# Altium PCB DRS4-PCB.PcbDoc (part 1 of 15) (continued)
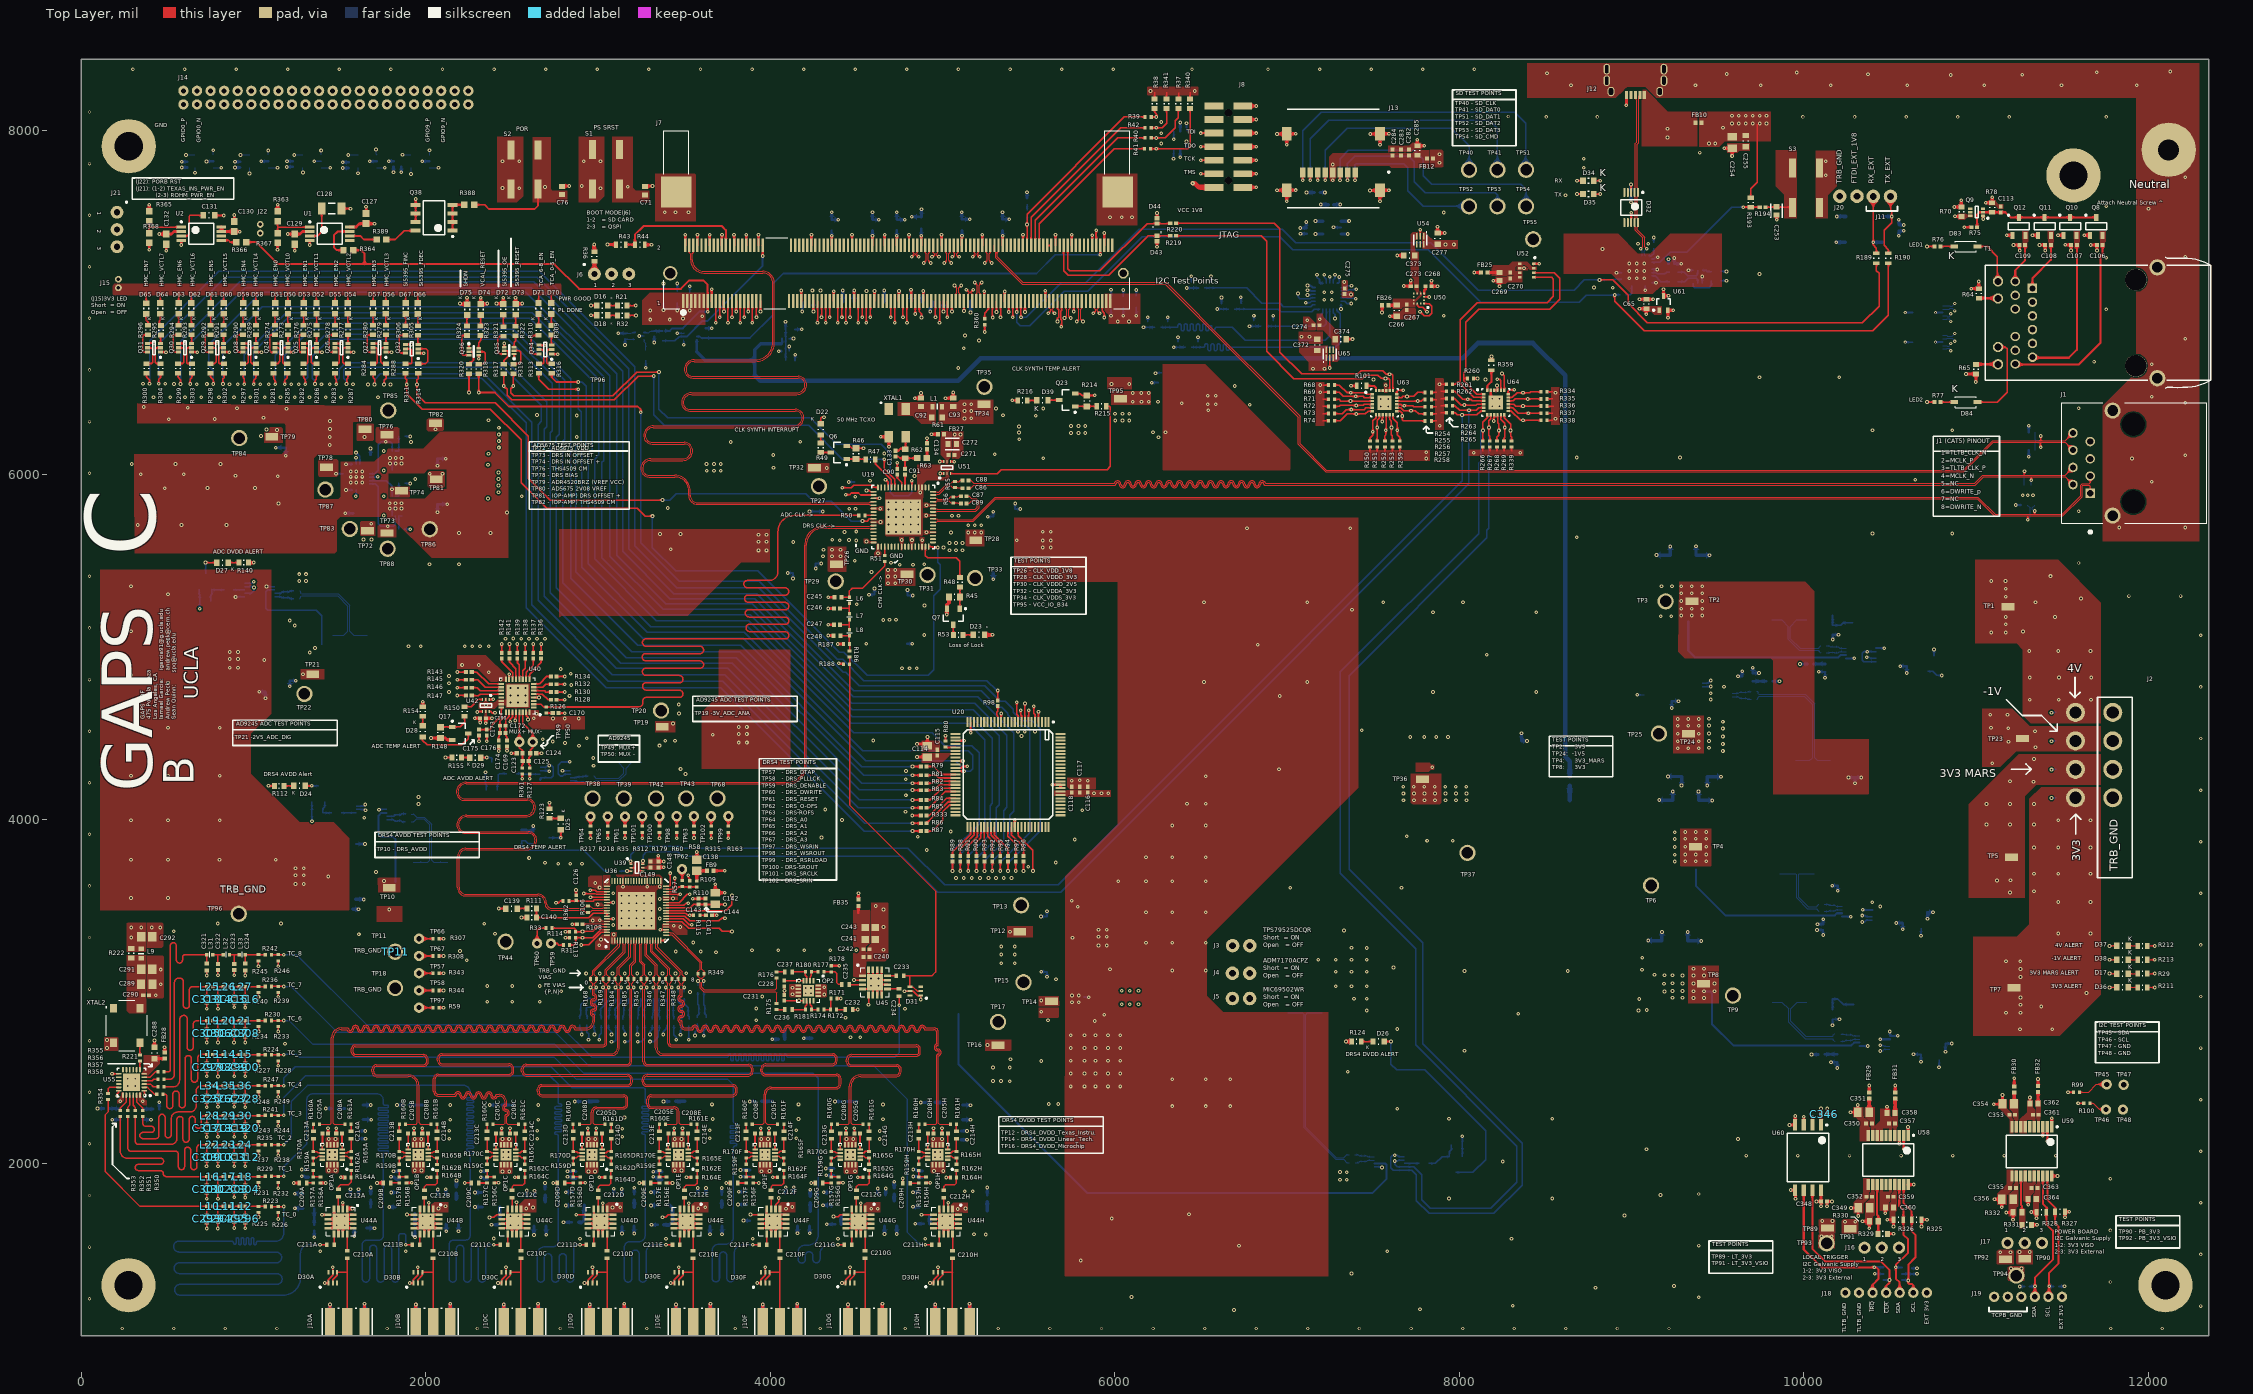
[diagram p0: Top Layer view]
## Classes and differential pairs
differential pair class D90: USB
differential pair class D100: 3V3_SENSE 3V3_ZYNQ_SENSE 4V_SENSE -1V_SENSE ADC_ANA_SENSE ADC_DIG_SENSE DRS4_IN0 DRS4_IN1 DRS4_IN2 DRS4_IN3 DRS4_IN4 DRS4_IN5 DRS4_IN6 DRS4_IN7 DRS4_IN8 ETH_A ETH_B ETH_C ETH_D GPIO0 GPIO1 GPIO2 GPIO3 GPIO4 GPIO5 GPIO6 GPIO7 GPIO8 GPIO9 IO_B35_L3 MCLK OUT0A OUT1 OUT9 OUT9A
net class S50: ADC_CLK CLK_SYNTH_8 CLK_SYNTH_LP NetC209A_2 NetC209B_2 NetC209C_2 NetC209D_2 NetC209E_2 NetC209F_2 NetC209G_2 NetC209H_2 NetC210A_1 NetC210A_2 NetC210B_1 NetC210B_2 NetC210C_1 NetC210C_2 NetC210D_1 NetC210D_2 NetC210E_1 NetC210E_2 NetC210F_1 NetC210F_2 NetC210G_1 NetC210G_2 NetC210H_1 NetC210H_2 NetC211A_1 NetC211B_1 NetC211C_1 NetC211D_1 NetC211E_1 NetC211F_1 NetC211G_1 NetC211H_1 NetC212A_1 NetC212A_2 NetC212B_1 NetC212B_2 NetC212C_1 NetC212C_2 NetC212D_1 NetC212D_2 NetC212E_1 NetC212E_2 NetC212F_1 NetC212F_2 NetC212G_1 NetC212G_2 NetC212H_1 NetC212H_2 NetC232_2 NetC233_1 NetC234_1 NetC235_1 NetC235_2 NetC246_2 NetC247_2 NetC248_2 NetC294_2 NetC295_2 NetC296_2 NetC298_2 NetC299_2 NetC300_2 NetC302_2 NetC303_2 NetC304_2 NetC306_2 NetC307_2 NetC308_2 NetC310_2 NetC311_2 NetC312_2 NetC314_2 NetC315_2 NetC316_2 NetC318_2 NetC319_2 NetC320_2 NetC322_2 NetC323_2 NetC324_2 NetC326_2 NetC327_2 NetC328_2 NetOP1A_2 NetOP1A_11 NetOP1B_2 NetOP1B_11 NetOP1C_2 NetOP1C_11 NetOP1D_2 NetOP1D_11 NetOP1E_2 NetOP1E_11 NetOP1F_2 NetOP1F_11 NetOP1G_2 NetOP1G_11 NetOP1H_2 NetOP1H_11 NetOP2_2 NetR156A_1 NetR156B_1 NetR156C_1 NetR156D_1 NetR156E_1 NetR156F_1 NetR156G_1 NetR156H_1 NetR171_1 NetR350_1 NetR351_1 NetR352_1 NetR353_1 NetR354_1 NetR355_1 NetR356_1 NetR357_1 NetR358_1 NetU55_14 NetU55_15 NetU55_16 OUT0 OUT3 TC_0 TC_1 TC_2 TC_3 TC_4 TC_5 TC_6 TC_7 TC_8 TCA_CLK0 TCA_CLK1 TCA_CLK2 TCA_CLK3 TCA_CLK4 TCA_CLK5 TCA_CLK6 TCA_CLK7 TCA_CLK8
component class "I2C GPIO": C114 C115 C116 C117 C118 R79 R80 R81 R82 R83 R84 R85 R86 R87 R88 R89 R90 R91 R92 R93 R94 R95 R96 R97 R98 R333 U20
component class "MarsZX2 PWR Reset": C63 C64 C127 C128 C129 C130 C131 C132 C215 J21 J22 Q38 R363 R364 R365 R366 R367 R368 R388 R389 U1 U2 U17
component class "I2C Multiplexer": C24 C25 R68 R69 R71 R72 R73 R74 R101 R250 R251 R252 R253 R254 R255 R256 R257 R258 R259 R260 R261 R262 R263 R264 R265 R266 R267 R268 R269 R334 R335 R336 R337 R338 R339 R359 U63 U64
component class 1V8_SUPPLY: C277 C372 C373 C374 U54 U65
channel class ANA_FE: FE0 FE1 FE2 FE3 FE4 FE5 FE6 FE7
component class FE7: C199H C200H C201H C202H C203H C204H C205H C206H C207H C208H C209H C210H C211H C212H C213H C214H C216H C217H C218H C219H C220H C221_FE7 C222_FE7 C223_FE7 D30H FB17H FB18H FB19H J10H L2H L3H OP1H R156H R157H R159H R160H R161H R162H R164H R165H R166H R167H R170H U44H
component class FE6: C199G C200G C201G C202G C203G C204G C205G C206G C207G C208G C209G C210G C211G C212G C213G C214G C216G C217G C218G C219G C220G C221_FE6 C222_FE6 C223_FE6 D30G FB17G FB18G FB19G J10G L2G L3G OP1G R156G R157G R159G R160G R161G R162G R164G R165G R166G R167G R170G U44G
component class FE5: C199F C200F C201F C202F C203F C204F C205F C206F C207F C208F C209F C210F C211F C212F C213F C214F C216F C217F C218F C219F C220F C221_FE5 C222_FE5 C223_FE5 D30F FB17F FB18F FB19F J10F L2F L3F OP1F R156F R157F R159F R160F R161F R162F R164F R165F R166F R167F R170F U44F
component class FE4: C199E C200E C201E C202E C203E C204E C205E C206E C207E C208E C209E C210E C211E C212E C213E C214E C216E C217E C218E C219E C220E C221_FE4 C222_FE4 C223_FE4 D30E FB17E FB18E FB19E J10E L2E L3E OP1E R156E R157E R159E R160E R161E R162E R164E R165E R166E R167E R170E U44E
component class FE3: C199D C200D C201D C202D C203D C204D C205D C206D C207D C208D C209D C210D C211D C212D C213D C214D C216D C217D C218D C219D C220D C221_FE3 C222_FE3 C223_FE3 D30D FB17D FB18D FB19D J10D L2D L3D OP1D R156D R157D R159D R160D R161D R162D R164D R165D R166D R167D R170D U44D
component class FE2: C199C C200C C201C C202C C203C C204C C205C C206C C207C C208C C209C C210C C211C C212C C213C C214C C216C C217C C218C C219C C220C C221_FE2 C222_FE2 C223_FE2 D30C FB17C FB18C FB19C J10C L2C L3C OP1C R156C R157C R159C R160C R161C R162C R164C R165C R166C R167C R170C U44C
component class FE1: C199B C200B C201B C202B C203B C204B C205B C206B C207B C208B C209B C210B C211B C212B C213B C214B C216B C217B C218B C219B C220B C221_FE1 C222_FE1 C223_FE1 D30B FB17B FB18B FB19B J10B L2B L3B OP1B R156B R157B R159B R160B R161B R162B R164B R165B R166B R167B R170B U44B
component class FE0: C199A C200A C201A C202A C203A C204A C205A C206A C207A C208A C209A C210A C211A C212A C213A C214A C216A C217A C218A C219A C220A C221_FE0 C222_FE0 C223_FE0 D30A FB17A FB18A FB19A J10A L2A L3A OP1A R156A R157A R159A R160A R161A R162A R164A R165A R166A R167A R170A U44A
component class "TCA FILTER": C293 C294 C295 C296 C297 C298 C299 C300 C301 C302 C303 C304 C305 C306 C307 C308 C309 C310 C311 C312 C313 C314 C315 C316 C317 C318 C319 C320 C321 C322 C323 C324 C325 C326 C327 C328 L10 L11 L12 L13 L14 L15 L16 L17 L18 L19 L20 L21 L22 L23 L24 L25 L26 L27 L28 L29 L30 L31 L32 L33 L34 L35 L36 R223 R224 R225 R226 R227 R228 R229 R230 R231 R232 R233 R234 R235 R236 R237 R238 R239 R240 R241 R242 R243 R244 R245 R246 R247 R248 R249
component class "TCA CLK": C286 C287 C288 C289 C290 C291 C292 FB28 FB33 FB34 L9 R221 R222 R350 R351 R352 R353 R354 R355 R356 R357 R358 U55 XTAL2
component class "Main Voltage Sensors": C257 C258 C259 C260 C261 C262 C263 C264 C265 C266 C267 C268 C269 C270 C271 C272 C273 D36 D37 D38 D39 FB22 FB23 FB24 FB25 FB26 FB27 Q20 Q21 Q22 Q23 R199 R200 R201 R202 R203 R204 R205 R206 R207 R208 R209 R210 R211 R212 R213 R214 R215 R216 U47 U48 U49 U50 U51 U52
component class "MIO Peripherals": C274 C275 C276 C282 C283 C284 C285 D40 D41 D42 D43 D44 FB12 J13 R99 R100 R158 R173 R219 R220 R369 R370 R371 R372 R373 R374 R375 R376 R377 R378 R379 R380 R381 R382 R383 R384 R385 R386 R387 TP40 TP41 TP45 TP46 TP47 TP48 TP51 TP52 TP53 TP54 TP55 U53
component class "Misc. GPIO": C329 C330 C331 C332 C333 C334 D45 D46 D47 D48 D49 J14
component class FTDI: C65 C249 C250 C251 C252 C253 C254 C255 C256 D32 D33 D34 D35 FB10 J11 J12 J20 Q19 R189 R190 R191 R192 R193 R194 R195 R196 R197 R198 S3 U46 U61
component class "Galvanic I2C Interface": C346 C347 C348 C349 C350 C351 C352 C353 C354 C355 C356 C357 C358 C359 C360 C361 C362 C363 C364 D76 D77 D78 FB29 FB30 FB31 FB32 J16 J17 J18 J19 "lt 3v3 viso" R325 R326 R327 R328 R329 R330 R331 R332 TP89 TP90 TP91 TP92 TP93 TP94 U58 U59 U60
component class FE8: C222 C223 C224 C225 C226 C227 C228 C229 C230 C231 C232 C233 C234 C235 C236 C237 C239 C240 C241 C242 C243 C244 C245 C246 C247 C248 D31 FB20 FB21 FB35 L4 L5 L6 L7 L8 OP2 R171 R172 R174 R175 R176 R177 R178 R180 R181 R182 R183 R186 R187 R188 U45
component class 4V: C4 C5 CR1 D68 F1 F? FB2 Q1 R1 R2 TP1 TP2 TP3
component class -1V: C35 C36 CR4 D82 F4 FB5 R13 R14 TP23 TP24 TP25 U10
component class ToF: *? D1 D2 D3 D4 J1 J2
component class "Mars PWR": C57 C58 C59 C60 C61 C62 C67 C68 C69 C70 C71 C72 C73 C74 C75 C76 C77 C78 C79 C80 C81 C82 C83 C84 C111 C112 C119 C120 C121 C122 C368 C369 C370 C371 CR5 D16 D17 D18 D79 D81 F5 FB6 gnd J6 Q2 Q3 Q4 Q37 R20 R21 R22 R23 R24 R25 R26 R27 R28 R29 R30 R32 R34 R36 R66 S1 S2 TP36 TP37 TP95 TP96 U16 U62
component class DAC: C335 C336 C337 C338 C339 C340 C341 C342 C343 C344 C345 FB1 FB8 FB13 FB14 OP3 OP4 R270 R271 R272 TP72 TP73 TP74 TP76 TP78 TP79 TP80 TP81 TP82 TP83 TP84 TP85 TP86 TP87 TP88 U56 U57 U?
component class "Clock Power": C37 C38 C39 C40 C41 C42 C43 C44 C45 C46 C47 C48 C49 C50 C51 C52 C53 C54 C55 C56 D11 D12 D13 D14 D15 R15 R16 R17 R18 R19 TP26 TP27 TP28 TP29 TP30 TP31 TP32 TP33 TP34 TP35 U11 U12 U13 U14 U15
component class 3V_ADC: C27 C28 C29 C30 C31 C32 C33 C34 D9 D10 R11 R12 TP19 TP20 TP21 TP22 U8 U9
component class 3V3_DIST_ZYNQ: C6 C7 CR2 D69 F2 FB3 Q5 R3 R4 TP4 TP5 TP6
component class 3_3V_DIST: C8 C9 D80 F3 FB4 Q33 R5 R6 TP7 TP8 TP9
component class 2V5_DRS4_SUPPLY: C10 C11 C12 C13 C14 C15 C16 C17 C18 C19 C20 C21 C22 C23 D5 D6 D7 R7 R8 R9 R10 R67 TP10 TP11 TP12 TP13 TP14 TP15 TP16 TP17 U4 U5 U6 U7
component class "I2C GPIO LED": D50 D51 D52 D53 D54 D55 D56 D57 D58 D59 D60 D61 D62 D63 D64 D65 D66 D67 D70 D71 D72 D73 D74 D75 J15 Q24 Q25 Q26 Q27 Q28 Q29 Q30 Q31 Q32 Q34 Q35 Q36 Q? R273 R274 R275 R276 R277 R278 R279 R280 R281 R282 R283 R284 R285 R286 R287 R288 R289 R290 R291 R292 R293 R294 R295 R296 R297 R298 R299 R300 R301 R302 R303 R304 R305 R306 R309 R310 R311 R313 R314 R316 R317 R318 R319 R320 R321 R322 R323 R324
component class SOM1: C26 D20 D21 J7 J8 R37 R38 R39 R40 R41 R42 R43 R44 R340 R341 R342 R360
component class "Mars Ethernet": C106 C107 C108 C109 C113 D19 D83 D84 D85 Q8 Q9 Q10 Q11 Q12 R64 R65 R70 R75 R76 R77 R78 T1
component class DRS1: a2 C1 C2 C3 C66 C110 C126 C135 C136 C137 C138 C139 C140 C141 C142 C143 C144 C145 C146 C147 C148 C149 C150 C151 C152 C153 C154 C155 C156 C157 C158 C159 C160 C161 C162 C163 C164 C165 C166 C167 C168 D24 D25 D26 FB9 J3 J4 J5 Q13 Q14 Q15 R31 R33 R35 R57 R58 R59 R60 R102 R103 R104 R105 R106 R107 R108 R109 R110 R111 R112 R113 R114 R115 R116 R117 R118 R119 R120 R121 R122 R123 R124 R163 R168 R169 R179 R184 R185 R217 R218 R307 R308 R312 R315 R343 R344 R345 R346 R347 R348 R349 R362 TP18 TP38 TP39 TP42 TP43 TP44 TP57 TP58 TP59 TP60 TP61 TP62 TP63 TP64 TP65 TP66 TP67 TP68 TP97 TP98 TP99 TP100 TP101 TP102 U36 U37 U38 U39
component class "Clock synthesis": C85 C86 C87 C88 C89 C90 C91 C92 C93 C94 C95 C96 C97 C98 C99 C100 C101 C102 C103 C104 C105 C133 C134 D8 D22 D23 FB7 L1 Q6 Q7 R45 R46 R47 R48 R49 R50 R51 R53 R55 R56 R61 R62 R63 U19 XTAL1
component class ADC: C123 C124 C125 C169 C170 C171 C172 C173 C174 C175 C176 C177 C178 C179 C180 C181 C182 C183 C184 C185 C186 C187 C188 C189 C190 C191 C192 C193 C194 C195 C196 C197 C198 D27 D28 D29 FB11 FB16 Q16 Q17 Q18 R125 R126 R127 R128 R129 R130 R131 R132 R133 R134 R135 R136 R137 R138 R139 R140 R141 R142 R143 R144 R145 R146 R147 R148 R149 R150 R151 R152 R153 R154 R155 R361 TP49 TP50 U40 U41 U42 U43
differential pair GPIO9: +GPIO9_P -GPIO9_N
differential pair GPIO8: +GPIO8_P -GPIO8_N
differential pair GPIO7: +GPIO7_P -GPIO7_N
differential pair GPIO6: +GPIO6_P -GPIO6_N
differential pair GPIO5: +GPIO5_P -GPIO5_N
differential pair GPIO4: +GPIO4_P -GPIO4_N
differential pair GPIO3: +GPIO3_P -GPIO3_N
differential pair GPIO2: +GPIO2_P -GPIO2_N
differential pair GPIO1: +GPIO1_P -GPIO1_N
differential pair GPIO0: +GPIO0_P -GPIO0_N
differential pair IO_B35_L3: +IO_B35_L3_P -IO_B35_L3_N
differential pair OUT0A: +OUT0A_P -OUT0A_N
differential pair DRS4_DVDD: +DRS4_DVDD_P -DRS4_DVDD_N
differential pair DRS4_AVDD: +DRS4_AVDD_P -DRS4_AVDD_N
differential pair ADC_DIG_SENSE: +ADC_DIG_SENSE_P -ADC_DIG_SENSE_N
differential pair ADC_ANA_SENSE: +ADC_ANA_SENSE_P -ADC_ANA_SENSE_N
differential pair 3V3_ZYNQ_SENSE: +3V3_ZYNQ_SENSE_P -3V3_ZYNQ_SENSE_N
differential pair 4V_SENSE: +4V_SENSE_P -4V_SENSE_N
differential pair -1V_SENSE: +-1V_SENSE_P --1V_SENSE_N
differential pair 3V3_SENSE: +3V3_SENSE_P -3V3_SENSE_N
differential pair MCLK: +MCLK_P -MCLK_N
differential pair USB: +USB_P -USB_N
differential pair DRS4_IN8: +DRS4_IN8_P -DRS4_IN8_N
differential pair DRS4_IN7: +DRS4_IN7_P -DRS4_IN7_N
differential pair DRS4_IN6: +DRS4_IN6_P -DRS4_IN6_N
differential pair DRS4_IN5: +DRS4_IN5_P -DRS4_IN5_N
differential pair DRS4_IN4: +DRS4_IN4_P -DRS4_IN4_N
differential pair DRS4_IN3: +DRS4_IN3_P -DRS4_IN3_N
differential pair DRS4_IN2: +DRS4_IN2_P -DRS4_IN2_N
differential pair DRS4_IN1: +DRS4_IN1_P -DRS4_IN1_N
differential pair DRS4_IN0: +DRS4_IN0_P -DRS4_IN0_N
differential pair OUT9: +OUT9_P -OUT9_N
differential pair OUT9A: +OUT9A_P -OUT9A_N
differential pair OUT1: +OUT1_P -OUT1_N
differential pair ETH_D: +ETH_D_P -ETH_D_N
differential pair ETH_C: +ETH_C_P -ETH_C_N
differential pair ETH_B: +ETH_B_P -ETH_B_N
differential pair ETH_A: +ETH_A_P -ETH_A_N

## Components (designator, comment, footprint, x,y, rotation, side; value= is the part's Value field where it differs from the comment)
C1 "Cap_Kemet_T521B226M025ATE100_22uF" Cap_Kemet_T521B226M025ATE100_22uF 4473.16,3357.79 r270 bottom
C2 "Cap_Kemet_T521B226M025ATE100_22uF" Cap_Kemet_T521B226M025ATE100_22uF 4323.39,3357.79 r270 bottom
C3 "Cap_Kemet_T521B226M025ATE100_22uF" Cap_Kemet_T521B226M025ATE100_22uF 4173.61,3357.79 r270 bottom
C4 "Cap_Kemet_T521B226M025ATE100_22uF" Cap_Kemet_T521B226M025ATE100_22uF 9224.08,5478.07 r90 bottom
C5 "Cap_Kemet_T521B226M025ATE100_22uF" Cap_Kemet_T521B226M025ATE100_22uF 9374.67,5477.63 r90 bottom
C6 "Cap_Kemet_T521B226M025ATE100_22uF" Cap_Kemet_T521B226M025ATE100_22uF 9237.36,4056.89 r90 bottom
C7 "Cap_Kemet_T521B226M025ATE100_22uF" Cap_Kemet_T521B226M025ATE100_22uF 9388.54,4055.95 r90 bottom
C8 "Cap_Kemet_T521B226M025ATE100_22uF" Cap_Kemet_T521B226M025ATE100_22uF 9174.39,3240.35 r90 bottom
C9 "Cap_Kemet_T521B226M025ATE100_22uF" Cap_Kemet_T521B226M025ATE100_22uF 9325.56,3240.35 r90 bottom
C10 "Cap_Murata_ZRB18AR6YA475ME05L_4.7uF" Cap_Murata_ZRB18AR6YA475ME05L_4.7uF 1592.48,3695.66 r90 bottom
C11 "Cap_Kemet_C0603C103J5RACTU_eec" Kemet_C0603_0 1550.8,3478.93 r0 bottom value=10nF
C12 "Cap_Murata_ZRB18AR6YA475ME05L_4.7uF" Cap_Murata_ZRB18AR6YA475ME05L_4.7uF 1593.73,3567.69 r90 bottom
C13 "Cap_Murata_ZRB18AR6YA475ME05L_4.7uF" Cap_Murata_ZRB18AR6YA475ME05L_4.7uF 1593.13,3823.62 r270 bottom
C14 "Cap_Murata_ZRB18AR6YA475ME05L_4.7uF" Cap_Murata_ZRB18AR6YA475ME05L_4.7uF 5605.21,3274.61 r270 bottom
C15 "Cap_Murata_ZRB18AR6YA475ME05L_4.7uF" Cap_Murata_ZRB18AR6YA475ME05L_4.7uF 5605.21,3146.65 r90 bottom
C16 "Cap_Kemet_C0603C103J5RACTU_eec" Kemet_C0603_0 5726.82,3493.61 r0 bottom value=10nF
C17 "Cap_Murata_ZRB18AR6YA475ME05L_4.7uF" Cap_Murata_ZRB18AR6YA475ME05L_4.7uF 5605.21,3402.57 r270 bottom
C18 "Cap_Murata_ZRB18AR6YA475ME05L_4.7uF" Cap_Murata_ZRB18AR6YA475ME05L_4.7uF 5439.44,2567.25 r270 bottom
C19 "Cap_Murata_ZRB18AR6YA475ME05L_4.7uF" Cap_Murata_ZRB18AR6YA475ME05L_4.7uF 5508.35,2641.41 r90 bottom
C20 "Cap_Murata_ZRB18AR6YA475ME05L_4.7uF" Cap_Murata_ZRB18AR6YA475ME05L_4.7uF 5561.89,2380.63 r90 bottom
C21 "Cap_Murata_ZRB18AR6YA475ME05L_4.7uF" Cap_Murata_ZRB18AR6YA475ME05L_4.7uF 5883.7,2897.08 r90 bottom
C22 "Cap_Murata_ZRB18AR6YA475ME05L_4.7uF" Cap_Murata_ZRB18AR6YA475ME05L_4.7uF 5611.32,2914.95 r90 bottom
C23 "Cap_Taiyo_Yuden_TMK105B7104KV-FR_100nF" Cap_Taiyo_Yuden_TMK105B7104KV-FR_100nF#1 5657.72,3023.39 r270 bottom
C24 "Cap_Taiyo_Yuden_TMK105B7104KV-FR_100nF" Cap_Taiyo_Yuden_TMK105B7104KV-FR_100nF#1 8183.21,6534.87 r270 bottom
C25 "Cap_Taiyo_Yuden_TMK105B7104KV-FR_100nF" Cap_Taiyo_Yuden_TMK105B7104KV-FR_100nF#1 7533.52,6535.24 r270 bottom
C26 "Cap_Murata_GJM1555C1H200GB01D_20pF" Cap_Murata_GJM1555C1H200GB01D_20pF 5490,7588.67 r270 bottom
C27 "Cap_Murata_ZRB18AR6YA475ME05L_4.7uF" Cap_Murata_ZRB18AR6YA475ME05L_4.7uF 3506.92,4451.86 r270 bottom
C28 "Cap_Kemet_C0603C103J5RACTU_eec" Kemet_C0603_0 3550.5,4686.29 r180 bottom value=10nF
C29 "Cap_Murata_ZRB18AR6YA475ME05L_4.7uF" Cap_Murata_ZRB18AR6YA475ME05L_4.7uF 3508.09,4579.83 r270 bottom
C30 "Cap_Murata_ZRB18AR6YA475ME05L_4.7uF" Cap_Murata_ZRB18AR6YA475ME05L_4.7uF 3506.92,4323.9 r90 bottom
C31 "Cap_Murata_ZRB18AR6YA475ME05L_4.7uF" Cap_Murata_ZRB18AR6YA475ME05L_4.7uF 1209.99,4963.96 r90 bottom
C32 "Cap_Kemet_C0603C103J5RACTU_eec" Kemet_C0603_0 1092.43,4739.06 r180 bottom value=10nF
C33 "Cap_Murata_ZRB18AR6YA475ME05L_4.7uF" Cap_Murata_ZRB18AR6YA475ME05L_4.7uF 1209.99,4836 r90 bottom
C34 "Cap_Murata_ZRB18AR6YA475ME05L_4.7uF" Cap_Murata_ZRB18AR6YA475ME05L_4.7uF 1209.99,5091.92 r270 bottom
C35 "Cap_Kemet_T521B226M025ATE100_22uF" Cap_Kemet_T521B226M025ATE100_22uF 9288.55,4302.31 r90 bottom
C36 "Cap_Kemet_T521B226M025ATE100_22uF" Cap_Kemet_T521B226M025ATE100_22uF 9439.5,4301.14 r90 bottom
C37 "Cap_Murata_ZRB18AR6YA475ME05L_4.7uF" Cap_Murata_ZRB18AR6YA475ME05L_4.7uF 4264.15,5638.86 r90 bottom
C38 "Cap_Murata_ZRB18AR6YA475ME05L_4.7uF" Cap_Murata_ZRB18AR6YA475ME05L_4.7uF 4262.9,5516.79 r90 bottom
C39 "Cap_Murata_ZRB18AR6YA475ME05L_4.7uF" Cap_Murata_ZRB18AR6YA475ME05L_4.7uF 4265.24,5753.8 r270 bottom
C40 "Cap_Kemet_C0603C103J5RACTU_eec" Kemet_C0603_0 4153.83,5429.96 r180 bottom value=10nF
C41 "Cap_Murata_ZRB18AR6YA475ME05L_4.7uF" Cap_Murata_ZRB18AR6YA475ME05L_4.7uF 5294.37,5723.68 r270 bottom
C42 "Cap_Murata_ZRB18AR6YA475ME05L_4.7uF" Cap_Murata_ZRB18AR6YA475ME05L_4.7uF 5293.88,5595.71 r270 bottom
C43 "Cap_Kemet_C0603C103J5RACTU_eec" Kemet_C0603_0 5397.72,5800.05 r0 bottom value=10nF
C44 "Cap_Murata_ZRB18AR6YA475ME05L_4.7uF" Cap_Murata_ZRB18AR6YA475ME05L_4.7uF 5294.37,5463.09 r90 bottom
C45 "Cap_Murata_ZRB18AR6YA475ME05L_4.7uF" Cap_Murata_ZRB18AR6YA475ME05L_4.7uF 4761.52,5018.61 r180 bottom
C46 "Cap_Murata_ZRB18AR6YA475ME05L_4.7uF" Cap_Murata_ZRB18AR6YA475ME05L_4.7uF 4764.34,5298.16 r180 bottom
C47 "Cap_Murata_ZRB18AR6YA475ME05L_4.7uF" Cap_Murata_ZRB18AR6YA475ME05L_4.7uF 4618.48,5018.39 r0 bottom
C48 "Cap_Kemet_C0603C103J5RACTU_eec" Kemet_C0603_0 4628.64,5304.07 r180 bottom value=10nF
C49 "Cap_Murata_ZRB18AR6YA475ME05L_4.7uF" Cap_Murata_ZRB18AR6YA475ME05L_4.7uF 3875.87,6007.68 r90 bottom
C50 "Cap_Murata_ZRB18AR6YA475ME05L_4.7uF" Cap_Murata_ZRB18AR6YA475ME05L_4.7uF 4155.44,6005.31 r90 bottom
C51 "Cap_Murata_ZRB18AR6YA475ME05L_4.7uF" Cap_Murata_ZRB18AR6YA475ME05L_4.7uF 3874.1,6140.75 r270 bottom
C52 "Cap_Kemet_C0603C103J5RACTU_eec" Kemet_C0603_0 4161.32,6137.2 r90 bottom value=10nF
C53 "Cap_Murata_ZRB18AR6YA475ME05L_4.7uF" Cap_Murata_ZRB18AR6YA475ME05L_4.7uF 5310.08,6314.73 r270 bottom
C54 "Cap_Kemet_C0603C103J5RACTU_eec" Kemet_C0603_0 5302.44,6174.78 r270 bottom value=10nF
C55 "Cap_Murata_ZRB18AR6YA475ME05L_4.7uF" Cap_Murata_ZRB18AR6YA475ME05L_4.7uF 5584.05,6309.98 r270 bottom
C56 "Cap_Murata_ZRB18AR6YA475ME05L_4.7uF" Cap_Murata_ZRB18AR6YA475ME05L_4.7uF 5584.06,6162.74 r90 bottom
C57 "Cap_Kemet_T521B226M025ATE100_22uF" Cap_Kemet_T521B226M025ATE100_22uF 7812.52,3984.09 r270 bottom
C58 "Cap_Kemet_T521B226M025ATE100_22uF" Cap_Kemet_T521B226M025ATE100_22uF 7961.22,3984.09 r270 bottom
C59 "Cap_Taiyo_Yuden_TMK105B7104KV-FR_100nF" Cap_Taiyo_Yuden_TMK105B7104KV-FR_100nF#2 10162.7,3484.84 r270 bottom
C60 "Cap_Taiyo_Yuden_TMK105B7104KV-FR_100nF" Cap_Taiyo_Yuden_TMK105B7104KV-FR_100nF#2 8734.74,3946.16 r270 bottom
C61 "Cap_Taiyo_Yuden_TMK105B7104KV-FR_100nF" Cap_Taiyo_Yuden_TMK105B7104KV-FR_100nF#2 10158.09,3373.1 r90 bottom
C62 "Cap_Taiyo_Yuden_TMK105B7104KV-FR_100nF" Cap_Taiyo_Yuden_TMK105B7104KV-FR_100nF#2 10111.82,3373.1 r90 bottom
C63 "Cap_Taiyo_Yuden_TMK105B7104KV-FR_100nF" Cap_Taiyo_Yuden_TMK105B7104KV-FR_100nF#2 3155.71,6803.55 r270 bottom
C64 "Cap_Taiyo_Yuden_TMK105B7104KV-FR_100nF" Cap_Taiyo_Yuden_TMK105B7104KV-FR_100nF#2 3325.19,6817.21 r270 bottom
C65 "Cap_Taiyo_Yuden_2.2uF" CAPC0603(1608)100_L 9085.14,6990.28 r270 top value=2.2uF
C66 "Cap_Kemet_T521B226M025ATE100_22uF" Cap_Kemet_T521B226M025ATE100_22uF 4023.84,3357.79 r270 bottom
C67 "Cap_Murata_ GRM21BC71E106ME11L_10uF" "Cap_Murata_ GRM21BC71E106ME11L_10uF" 4627.63,7004.09 r0 bottom
C68 "Cap_Murata_GCJ188R71E105KA01J_1uF" Cap_Murata_GCJ188R71E105KA01J_1uF 4217.58,7004.09 r0 bottom
C69 "Cap_Murata_GCJ188R71E105KA01J_1uF" Cap_Murata_GCJ188R71E105KA01J_1uF 4452.58,7004.09 r0 bottom
C70 "Cap_Murata_GCJ188R71E105KA01J_1uF" Cap_Murata_GCJ188R71E105KA01J_1uF 4355.98,7450.08 r270 bottom
C71 "Cap_Kemet_C0603C103J5RACTU_eec" Kemet_C0603_0 3273.04,7648.31 r90 top value=10nF
C72 "Cap_Murata_ GRM21BC71E106ME11L_10uF" "Cap_Murata_ GRM21BC71E106ME11L_10uF" 5128.86,7006.22 r0 bottom
C73 "Cap_Murata_GCJ188R71E105KA01J_1uF" Cap_Murata_GCJ188R71E105KA01J_1uF 4972.33,7003.82 r0 bottom
C74 "Cap_Murata_GCJ188R71E105KA01J_1uF" Cap_Murata_GCJ188R71E105KA01J_1uF 4592.2,7450.08 r270 bottom
C75 "Cap_Murata_GCJ188R71E105KA01J_1uF" Cap_Murata_GCJ188R71E105KA01J_1uF 5111.94,7450.08 r270 bottom
C76 "Cap_Kemet_C0603C103J5RACTU_eec" Kemet_C0603_0 2791.28,7650.08 r90 top value=10nF
C77 "Cap_Murata_ GRM21BC71E106ME11L_10uF" "Cap_Murata_ GRM21BC71E106ME11L_10uF" 7694.13,3982.48 r270 bottom
C78 "Cap_Murata_GCJ188R71E105KA01J_1uF" Cap_Murata_GCJ188R71E105KA01J_1uF 7933.73,4415.04 r270 bottom
C79 "Cap_Murata_GCJ188R71E105KA01J_1uF" Cap_Murata_GCJ188R71E105KA01J_1uF 7864.82,4415.04 r270 bottom
C80 "Cap_Murata_GCJ188R71E105KA01J_1uF" Cap_Murata_GCJ188R71E105KA01J_1uF 7795.91,4415.04 r270 bottom
C81 "Cap_Murata_ GRM21BC71E106ME11L_10uF" "Cap_Murata_ GRM21BC71E106ME11L_10uF" 4875.63,7461.85 r90 bottom
C82 "Cap_Murata_GCJ188R71E105KA01J_1uF" Cap_Murata_GCJ188R71E105KA01J_1uF 5348.5,7450.08 r270 bottom
C83 "Cap_Murata_GCJ188R71E105KA01J_1uF" Cap_Murata_GCJ188R71E105KA01J_1uF 4848.58,7003.82 r180 bottom
C84 "Cap_Murata_GCJ188R71E105KA01J_1uF" Cap_Murata_GCJ188R71E105KA01J_1uF 4733.9,7450.08 r270 bottom
C85 "Cap_Taiyo_Yuden_TMK105B7104KV-FR_100nF" Cap_Taiyo_Yuden_TMK105B7104KV-FR_100nF#2 4625.27,5997.27 r90 bottom
C86 "Cap_Taiyo_Yuden_TMK105B7104KV-FR_100nF" Cap_Taiyo_Yuden_TMK105B7104KV-FR_100nF#2 5132.84,5921.4 r180 top
C87 "Cap_Taiyo_Yuden_TMK105B7104KV-FR_100nF" Cap_Taiyo_Yuden_TMK105B7104KV-FR_100nF#2 5122.09,5875.47 r180 top
C88 "Cap_Taiyo_Yuden_TMK105B7104KV-FR_100nF" Cap_Taiyo_Yuden_TMK105B7104KV-FR_100nF#2 5132.84,5966.68 r180 top
C89 "Cap_Taiyo_Yuden_TMK105B7104KV-FR_100nF" Cap_Taiyo_Yuden_TMK105B7104KV-FR_100nF#2 5122.09,5833.06 r180 top
C90 "Cap_Taiyo_Yuden_TMK105B7104KV-FR_100nF" Cap_Taiyo_Yuden_TMK105B7104KV-FR_100nF#2 4736.53,6017.03 r270 top
C91 "Cap_Taiyo_Yuden_TMK105B7104KV-FR_100nF" Cap_Taiyo_Yuden_TMK105B7104KV-FR_100nF#2 4781.81,6017.03 r270 top
C92 "Cap_Kemet_C0603C103J5RACTU_eec" Kemet_C0603_0 4874.48,6420.63 r90 top value=10nF
C93 "Cap_Kemet_C0603C103J5RACTU_eec" Kemet_C0603_0 5061.82,6420.63 r90 top value=10nF
C94 "Cap_Murata_GCJ188R71E105KA01J_1uF" Cap_Murata_GCJ188R71E105KA01J_1uF 4488.12,5989.93 r90 bottom
C95 "Cap_Murata_GCJ188R71E105KA01J_1uF" Cap_Murata_GCJ188R71E105KA01J_1uF 4625.9,5467.2 r90 bottom
C96 "Cap_Murata_GCJ188R71E105KA01J_1uF" Cap_Murata_GCJ188R71E105KA01J_1uF 4569.86,5684.63 r0 bottom
C97 "Cap_Murata_GCJ188R71E105KA01J_1uF" Cap_Murata_GCJ188R71E105KA01J_1uF 4983.11,5664.82 r180 bottom
C98 "Cap_Murata_GCJ188R71E105KA01J_1uF" Cap_Murata_GCJ188R71E105KA01J_1uF 4821.25,5543.39 r90 bottom
C99 "Cap_Murata_GCJ188R71E105KA01J_1uF" Cap_Murata_GCJ188R71E105KA01J_1uF 4985.71,5757.61 r180 bottom
C100 "Cap_Murata_GCJ188R71E105KA01J_1uF" Cap_Murata_GCJ188R71E105KA01J_1uF 4985.71,5827.04 r180 bottom
C101 "Cap_Murata_GCJ188R71E105KA01J_1uF" Cap_Murata_GCJ188R71E105KA01J_1uF 4892.48,5543.39 r90 bottom
C102 "Cap_Murata_GCJ188R71E105KA01J_1uF" Cap_Murata_GCJ188R71E105KA01J_1uF 4530.51,5533.71 r90 bottom
C103 "Cap_Murata_GCJ188R71E105KA01J_1uF" Cap_Murata_GCJ188R71E105KA01J_1uF 4561.29,5803.68 r0 bottom
C104 "Cap_Murata_GCJ188R71E105KA01J_1uF" Cap_Murata_GCJ188R71E105KA01J_1uF 4752.34,5543.47 r90 bottom
C105 "Cap_Murata_GCJ188R71E105KA01J_1uF" Cap_Murata_GCJ188R71E105KA01J_1uF 4562.98,5873.56 r0 bottom
C106 "Cap_Taiyo_Yuden_TMK105B7104KV-FR_100nF" Cap_Taiyo_Yuden_TMK105B7104KV-FR_100nF#2 11717.93,7333.97 r0 top
C107 "Cap_Taiyo_Yuden_TMK105B7104KV-FR_100nF" Cap_Taiyo_Yuden_TMK105B7104KV-FR_100nF#2 11567.53,7333.97 r0 top
C108 "Cap_Taiyo_Yuden_TMK105B7104KV-FR_100nF" Cap_Taiyo_Yuden_TMK105B7104KV-FR_100nF#2 11417.14,7333.97 r0 top
C109 "Cap_Taiyo_Yuden_TMK105B7104KV-FR_100nF" Cap_Taiyo_Yuden_TMK105B7104KV-FR_100nF#2 11267.93,7333.97 r0 top
C110 "Cap_Kemet_T521B226M025ATE100_22uF" Cap_Kemet_T521B226M025ATE100_22uF 3874.07,3357.79 r270 bottom
C111 "Cap_Murata_ GRM21BC71E106ME11L_10uF" "Cap_Murata_ GRM21BC71E106ME11L_10uF" 6124.53,7002.48 r90 bottom
C112 "Cap_Murata_ GRM21BC71E106ME11L_10uF" "Cap_Murata_ GRM21BC71E106ME11L_10uF" 6049.11,7002.48 r90 bottom
C113 "Cap_Taiyo_Yuden_TMK105B7104KV-FR_100nF" Cap_Taiyo_Yuden_TMK105B7104KV-FR_100nF#2 11142.16,7539.12 r270 top
C114 "Cap_Murata_ GRM21BC71E106ME11L_10uF" "Cap_Murata_ GRM21BC71E106ME11L_10uF" 4911.65,4393.39 r90 top
C115 "Cap_Taiyo_Yuden_TMK105B7104KV-FR_100nF" Cap_Taiyo_Yuden_TMK105B7104KV-FR_100nF#2 4969.14,4386.38 r270 top
C116 "Cap_Taiyo_Yuden_TMK105B7104KV-FR_100nF" Cap_Taiyo_Yuden_TMK105B7104KV-FR_100nF#2 5842.87,4171.81 r270 top
C117 "Cap_Taiyo_Yuden_TMK105B7104KV-FR_100nF" Cap_Taiyo_Yuden_TMK105B7104KV-FR_100nF#2 5795.24,4171.81 r270 top
C118 "Cap_Taiyo_Yuden_TMK105B7104KV-FR_100nF" Cap_Taiyo_Yuden_TMK105B7104KV-FR_100nF#2 5749.96,4171.81 r270 top
C119 "Cap_Murata_ZRB18AR6YA475ME05L_4.7uF" Cap_Murata_ZRB18AR6YA475ME05L_4.7uF 5977.23,6991.89 r90 bottom
C120 "Cap_Murata_ GRM21BC71E106ME11L_10uF" "Cap_Murata_ GRM21BC71E106ME11L_10uF" 3459.72,7032.28 r90 bottom
C121 "Cap_Murata_ GRM21BC71E106ME11L_10uF" "Cap_Murata_ GRM21BC71E106ME11L_10uF" 3379.93,7032.28 r90 bottom
C122 "Cap_Murata_ZRB18AR6YA475ME05L_4.7uF" Cap_Murata_ZRB18AR6YA475ME05L_4.7uF 3532.2,7025.14 r90 bottom
C123 "Cap_Murata_GJM1555C1H200GB01D_20pF" Cap_Murata_GJM1555C1H200GB01D_20pF 2543.61,4382.6 r180 top
C124 "Cap_Murata_GJM1555C1H200GB01D_20pF" Cap_Murata_GJM1555C1H200GB01D_20pF 2623.83,4382.6 r0 top
C125 "Cap_Murata_GJM1555C1H200GB01D_20pF" Cap_Murata_GJM1555C1H200GB01D_20pF 2580.5,4338.59 r0 top
C126 "5600PF 50V X7R 0402" FP-C0402-BB-MFG 2871.67,3544.02 r90 top value="5,600 pF"
C127 "Cap_Kemet_C0603C104M5RACAUTO_100nF" Cap_Kemet_C0603C104M5RACAUTO_100nF 1652.74,7486.89 r90 top
C128 "Cap_Murata_GRM31CR71E106MA12L_10uF" Cap_Murata_GRM31CR71E106MA12L_10uF 1452.72,7544.69 r0 top
C129 "Cap_Kemet_C0603C104M5RACAUTO_100nF" Cap_Kemet_C0603C104M5RACAUTO_100nF 1238.36,7367.31 r270 top
C130 "Cap_Kemet_C0603C104M5RACAUTO_100nF" Cap_Kemet_C0603C104M5RACAUTO_100nF 887.17,7441.32 r90 top
C131 "Cap_Murata_GCJ188R71E105KA01J_1uF" Cap_Murata_GCJ188R71E105KA01J_1uF 741.19,7505.22 r180 top
C132 "Cap_Kemet_C0603C104M5RACAUTO_100nF" Cap_Kemet_C0603C104M5RACAUTO_100nF 492.8,7367.29 r270 top
C133 "Cap_Murata_GCQ1555C1H120FB01D_12pF" Cap_Murata_GCQ1555C1H120FB01D_12pF 4725.51,6122.93 r90 top
C134 "Cap_Taiyo_Yuden_TMK105B7104KV-FR_100nF" Cap_Taiyo_Yuden_TMK105B7104KV-FR_100nF#1 4909.46,6163.98 r270 top
C135 "Cap_Taiyo_Yuden_TMK105B7104KV-FR_100nF" Cap_Taiyo_Yuden_TMK105B7104KV-FR_100nF#2 1836.08,4007.96 r90 bottom
C136 "Cap_Taiyo_Yuden_TMK105B7104KV-FR_100nF" Cap_Taiyo_Yuden_TMK105B7104KV-FR_100nF#2 1865.1,4102.64 r270 bottom
C137 "Cap_Taiyo_Yuden_TMK105B7104KV-FR_100nF" Cap_Taiyo_Yuden_TMK105B7104KV-FR_100nF#2 1825.2,4102.74 r270 bottom
C138 "Cap_Murata_GRT21BR61E226ME13L_22uF" Cap_Murata_GRT21BR61E226ME13L_22uF 3573.83,3733.22 r270 top
C139 "Cap_Murata_GCJ188R71E105KA01J_1uF" Cap_Murata_GCJ188R71E105KA01J_1uF 2496.93,3481.25 r0 top
C140 "4.7nF 10V 0603" CAPC0603(1608)100_L 2614.07,3428.97 r0 top value=4.7nF
C141 "Cap_Taiyo_Yuden_TMK105B7104KV-FR_100nF" Cap_Taiyo_Yuden_TMK105B7104KV-FR_100nF#2 3643.85,3443.11 r180 top
C142 "Cap_Murata_ GRM21BC71E106ME11L_10uF" "Cap_Murata_ GRM21BC71E106ME11L_10uF" 3680.51,3539.76 r90 top
C143 "Cap_Taiyo_Yuden_TMK105B7104KV-FR_100nF" Cap_Taiyo_Yuden_TMK105B7104KV-FR_100nF#2 3583.21,3522.32 r270 top
C144 "Cap_Taiyo_Yuden_TMK105B7104KV-FR_100nF" Cap_Taiyo_Yuden_TMK105B7104KV-FR_100nF#2 3622.8,3522.32 r270 top
C145 "Cap_Taiyo_Yuden_TMK105B7104KV-FR_100nF" Cap_Taiyo_Yuden_TMK105B7104KV-FR_100nF#2 7441.05,2029.83 r270 bottom
C146 "Cap_Taiyo_Yuden_TMK105B7104KV-FR_100nF" Cap_Taiyo_Yuden_TMK105B7104KV-FR_100nF#2 7435.93,1930.76 r90 bottom
C147 "Cap_Taiyo_Yuden_TMK105B7104KV-FR_100nF" Cap_Taiyo_Yuden_TMK105B7104KV-FR_100nF#2 7390.64,1930.92 r90 bottom
C148 "Cap_Taiyo_Yuden_TMK105B7104KV-FR_100nF" Cap_Taiyo_Yuden_TMK105B7104KV-FR_100nF#2 3349.76,3737.52 r270 top
C149 "Cap_Taiyo_Yuden_TMK105B7104KV-FR_100nF" Cap_Taiyo_Yuden_TMK105B7104KV-FR_100nF#2 3304.48,3737.52 r270 top
C150 "Cap_Murata_ GRM21BC71E106ME11L_10uF" "Cap_Murata_ GRM21BC71E106ME11L_10uF" 2692.13,3673.96 r90 bottom
C151 "Cap_Murata_GRM31CR61A107ME05L_100uF" Cap_Murata_GRM31CR61A107ME05L_100uF 2599.25,3675.72 r270 bottom
C152 "Cap_Kemet_C0603C101J5RACTU_100pF" Cap_Kemet_C0603C101J5RACTU_100pF 2838.03,3671.12 r90 bottom
C153 "Cap_Kemet_C0603C101J5RACTU_100pF" Cap_Kemet_C0603C101J5RACTU_100pF 2906.93,3671.12 r90 bottom
C154 "Cap_Kemet_C0603C101J5RACTU_100pF" Cap_Kemet_C0603C101J5RACTU_100pF 2769.13,3671.12 r90 bottom
C155 "Cap_Taiyo_Yuden_TMK105B7104KV-FR_100nF" Cap_Taiyo_Yuden_TMK105B7104KV-FR_100nF#2 3034.61,3570.38 r180 bottom
C156 "Cap_Taiyo_Yuden_TMK105B7104KV-FR_100nF" Cap_Taiyo_Yuden_TMK105B7104KV-FR_100nF#2 3033.84,3476.14 r180 bottom
C157 "Cap_Taiyo_Yuden_TMK105B7104KV-FR_100nF" Cap_Taiyo_Yuden_TMK105B7104KV-FR_100nF#2 3032.53,3386.06 r180 bottom
C158 "Cap_Taiyo_Yuden_TMK105B7104KV-FR_100nF" Cap_Taiyo_Yuden_TMK105B7104KV-FR_100nF#2 3032.21,3332.93 r180 bottom
C159 "Cap_Taiyo_Yuden_TMK105B7104KV-FR_100nF" Cap_Taiyo_Yuden_TMK105B7104KV-FR_100nF#2 3034.61,3531.31 r180 bottom
C160 "Cap_Murata_ GRM21BC71E106ME11L_10uF" "Cap_Murata_ GRM21BC71E106ME11L_10uF" 3595.91,3311.49 r270 bottom
C161 "Cap_Taiyo_Yuden_TMK105B7104KV-FR_100nF" Cap_Taiyo_Yuden_TMK105B7104KV-FR_100nF#2 3373.82,3397.76 r0 bottom
C162 "Cap_Taiyo_Yuden_TMK105B7104KV-FR_100nF" Cap_Taiyo_Yuden_TMK105B7104KV-FR_100nF#2 3373.51,3330.34 r0 bottom
C163 "Cap_Taiyo_Yuden_TMK105B7104KV-FR_100nF" Cap_Taiyo_Yuden_TMK105B7104KV-FR_100nF#2 3374.29,3563.45 r0 bottom
C164 "Cap_Taiyo_Yuden_TMK105B7104KV-FR_100nF" Cap_Taiyo_Yuden_TMK105B7104KV-FR_100nF#2 3374.29,3509.94 r0 bottom
C165 "Cap_Taiyo_Yuden_TMK105B7104KV-FR_100nF" Cap_Taiyo_Yuden_TMK105B7104KV-FR_100nF#2 3373.82,3450.43 r0 bottom
C166 "Cap_Murata_GRM31CR61A107ME05L_100uF" Cap_Murata_GRM31CR61A107ME05L_100uF 3684.76,3324.35 r90 bottom
C167 "Cap_Kemet_C0603C101J5RACTU_100pF" Cap_Kemet_C0603C101J5RACTU_100pF 3516.99,3314.02 r270 bottom
C168 "Cap_Kemet_C0603C101J5RACTU_100pF" Cap_Kemet_C0603C101J5RACTU_100pF 3450.75,3304.17 r270 bottom
C169 "Cap_Taiyo_Yuden_TMK105B7104KV-FR_100nF" Cap_Taiyo_Yuden_TMK105B7104KV-FR_100nF#2 2470.78,4439.45 r90 top
C170 "Cap_Murata_GJM1555C1H200GB01D_20pF" Cap_Murata_GJM1555C1H200GB01D_20pF 2752.53,4615.98 r180 top
C171 "Cap_Taiyo_Yuden_TMK105B7104KV-FR_100nF" Cap_Taiyo_Yuden_TMK105B7104KV-FR_100nF#2 1186.59,5303.17 r90 bottom
C172 "Cap_Taiyo_Yuden_TMK105B7104KV-FR_100nF" Cap_Taiyo_Yuden_TMK105B7104KV-FR_100nF#2 2446.56,4542.01 r180 top
C173 "Cap_Taiyo_Yuden_TMK105B7104KV-FR_100nF" Cap_Taiyo_Yuden_TMK105B7104KV-FR_100nF#2 2446.56,4500.89 r180 top
C174 "Cap_Taiyo_Yuden_TMK105B7104KV-FR_100nF" Cap_Taiyo_Yuden_TMK105B7104KV-FR_100nF#2 2423.38,4439.45 r90 top
C175 "Cap_Taiyo_Yuden_TMK105B7104KV-FR_100nF" Cap_Taiyo_Yuden_TMK105B7104KV-FR_100nF#2 2308.32,4503.2 r270 top
C176 "Cap_Taiyo_Yuden_TMK105B7104KV-FR_100nF" Cap_Taiyo_Yuden_TMK105B7104KV-FR_100nF#2 2353.6,4503.2 r270 top
C177 "Cap_Taiyo_Yuden_TMK105B7104KV-FR_100nF" Cap_Taiyo_Yuden_TMK105B7104KV-FR_100nF#2 1231.88,5397.84 r270 bottom
C178 "Cap_Taiyo_Yuden_TMK105B7104KV-FR_100nF" Cap_Taiyo_Yuden_TMK105B7104KV-FR_100nF#2 1186.59,5398.42 r270 bottom
C179 "Cap_Taiyo_Yuden_TMK105B7104KV-FR_100nF" Cap_Taiyo_Yuden_TMK105B7104KV-FR_100nF#2 2900.1,4230.15 r90 bottom
C180 "Cap_Taiyo_Yuden_TMK105B7104KV-FR_100nF" Cap_Taiyo_Yuden_TMK105B7104KV-FR_100nF#2 2331.73,4586.39 r180 top
C181 "Cap_Taiyo_Yuden_TMK105B7104KV-FR_100nF" Cap_Taiyo_Yuden_TMK105B7104KV-FR_100nF#2 2939.53,4329.94 r270 bottom
C182 "Cap_Taiyo_Yuden_TMK105B7104KV-FR_100nF" Cap_Taiyo_Yuden_TMK105B7104KV-FR_100nF#2 2894.24,4329.94 r270 bottom
C183 "Cap_Murata_ GRM21BC71E106ME11L_10uF" "Cap_Murata_ GRM21BC71E106ME11L_10uF" 2886.29,4505.27 r270 bottom
C184 "Cap_Kemet_C0603C102J5RACAUTO_1nF" Cap_Kemet_C0603C102J5RACAUTO_1nF 2805.72,4512.94 r90 bottom
C185 "Cap_Taiyo_Yuden_TMK105B7104KV-FR_100nF" Cap_Taiyo_Yuden_TMK105B7104KV-FR_100nF#2 2679.36,4512.59 r270 bottom
C186 "Cap_Kemet_C0603C102J5RACAUTO_1nF" Cap_Kemet_C0603C102J5RACAUTO_1nF 1868.32,4932.79 r270 bottom
C187 "Cap_Taiyo_Yuden_TMK105B7104KV-FR_100nF" Cap_Taiyo_Yuden_TMK105B7104KV-FR_100nF#2 2387.85,4949.14 r90 bottom
C188 "Cap_Taiyo_Yuden_TMK105B7104KV-FR_100nF" Cap_Taiyo_Yuden_TMK105B7104KV-FR_100nF#2 2341.78,4949.14 r90 bottom
C189 "Cap_Taiyo_Yuden_TMK105B7104KV-FR_100nF" Cap_Taiyo_Yuden_TMK105B7104KV-FR_100nF#2 2296.5,4949.14 r90 bottom
C190 "Cap_Kemet_C0603C102J5RACAUTO_1nF" Cap_Kemet_C0603C102J5RACAUTO_1nF 2146.08,4932.79 r270 bottom
C191 "Cap_Kemet_C0603C102J5RACAUTO_1nF" Cap_Kemet_C0603C102J5RACAUTO_1nF 2077.17,4932.79 r270 bottom
C192 "Cap_Taiyo_Yuden_TMK105B7104KV-FR_100nF" Cap_Taiyo_Yuden_TMK105B7104KV-FR_100nF#2 2251.21,4949.14 r90 bottom
C193 "Cap_Taiyo_Yuden_TMK105B7104KV-FR_100nF" Cap_Taiyo_Yuden_TMK105B7104KV-FR_100nF#2 2205.93,4949.14 r90 bottom
C194 "Cap_Kemet_C0603C102J5RACAUTO_1nF" Cap_Kemet_C0603C102J5RACAUTO_1nF 2008.26,4932.79 r270 bottom
C195 "Cap_Kemet_C0603C102J5RACAUTO_1nF" Cap_Kemet_C0603C102J5RACAUTO_1nF 1937.23,4932.79 r270 bottom
C196 "Cap_Kemet_C0603C102J5RACAUTO_1nF" Cap_Kemet_C0603C102J5RACAUTO_1nF 2738.07,4516.03 r90 bottom
C197 "Cap_Taiyo_Yuden_TMK105B7104KV-FR_100nF" Cap_Taiyo_Yuden_TMK105B7104KV-FR_100nF#2 2637.29,4513.26 r270 bottom
C198 "Cap_Murata_ GRM21BC71E106ME11L_10uF" "Cap_Murata_ GRM21BC71E106ME11L_10uF" 1791.54,4936.85 r90 bottom
C199A "Cap_Taiyo_Yuden_TMK105B7104KV-FR_100nF" Cap_Taiyo_Yuden_TMK105B7104KV-FR_100nF#2 1600.08,2190.63 r0 bottom (schematic designator C199)
C199B "Cap_Taiyo_Yuden_TMK105B7104KV-FR_100nF" Cap_Taiyo_Yuden_TMK105B7104KV-FR_100nF#2 2078.3,2190.63 r0 bottom (schematic designator C199)
C199C "Cap_Taiyo_Yuden_TMK105B7104KV-FR_100nF" Cap_Taiyo_Yuden_TMK105B7104KV-FR_100nF#2 2589.02,2145.35 r0 bottom (schematic designator C199)
C199D "Cap_Taiyo_Yuden_TMK105B7104KV-FR_100nF" Cap_Taiyo_Yuden_TMK105B7104KV-FR_100nF#2 3083.27,2202.72 r0 bottom (schematic designator C199)
C199E "Cap_Taiyo_Yuden_TMK105B7104KV-FR_100nF" Cap_Taiyo_Yuden_TMK105B7104KV-FR_100nF#2 3586.46,2190.98 r0 bottom (schematic designator C199)
C199F "Cap_Taiyo_Yuden_TMK105B7104KV-FR_100nF" Cap_Taiyo_Yuden_TMK105B7104KV-FR_100nF#2 4089.57,2143.98 r0 bottom (schematic designator C199)
C199G "Cap_Taiyo_Yuden_TMK105B7104KV-FR_100nF" Cap_Taiyo_Yuden_TMK105B7104KV-FR_100nF#2 4585.98,2143.7 r0 bottom (schematic designator C199)
C199H "Cap_Taiyo_Yuden_TMK105B7104KV-FR_100nF" Cap_Taiyo_Yuden_TMK105B7104KV-FR_100nF#2 5090.2,2138.98 r0 bottom (schematic designator C199)
C200A "Cap_Taiyo_Yuden_TMK105B7104KV-FR_100nF" Cap_Taiyo_Yuden_TMK105B7104KV-FR_100nF#2 1335.16,1921.33 r180 bottom (schematic designator C200)
C200B "Cap_Taiyo_Yuden_TMK105B7104KV-FR_100nF" Cap_Taiyo_Yuden_TMK105B7104KV-FR_100nF#2 1866.96,1955.83 r180 bottom (schematic designator C200)
C200C "Cap_Taiyo_Yuden_TMK105B7104KV-FR_100nF" Cap_Taiyo_Yuden_TMK105B7104KV-FR_100nF#2 2373.62,1955.51 r180 bottom (schematic designator C200)
C200D "Cap_Taiyo_Yuden_TMK105B7104KV-FR_100nF" Cap_Taiyo_Yuden_TMK105B7104KV-FR_100nF#2 2888.44,1914.85 r180 bottom (schematic designator C200)
C200E "Cap_Taiyo_Yuden_TMK105B7104KV-FR_100nF" Cap_Taiyo_Yuden_TMK105B7104KV-FR_100nF#2 3386.97,1906.81 r180 bottom (schematic designator C200)
C200F "Cap_Taiyo_Yuden_TMK105B7104KV-FR_100nF" Cap_Taiyo_Yuden_TMK105B7104KV-FR_100nF#2 3897.37,1963.51 r180 bottom (schematic designator C200)
C200G "Cap_Taiyo_Yuden_TMK105B7104KV-FR_100nF" Cap_Taiyo_Yuden_TMK105B7104KV-FR_100nF#2 4386.71,1972.04 r180 bottom (schematic designator C200)
C200H "Cap_Taiyo_Yuden_TMK105B7104KV-FR_100nF" Cap_Taiyo_Yuden_TMK105B7104KV-FR_100nF#2 4899.52,1919.57 r180 bottom (schematic designator C200)
C201A "Cap_Taiyo_Yuden_TMK105B7104KV-FR_100nF" Cap_Taiyo_Yuden_TMK105B7104KV-FR_100nF#2 1600.08,2145.35 r0 bottom (schematic designator C201)
C201B "Cap_Taiyo_Yuden_TMK105B7104KV-FR_100nF" Cap_Taiyo_Yuden_TMK105B7104KV-FR_100nF#2 2078.3,2145.35 r0 bottom (schematic designator C201)
C201C "Cap_Taiyo_Yuden_TMK105B7104KV-FR_100nF" Cap_Taiyo_Yuden_TMK105B7104KV-FR_100nF#2 2589.02,2190.63 r0 bottom (schematic designator C201)
C201D "Cap_Taiyo_Yuden_TMK105B7104KV-FR_100nF" Cap_Taiyo_Yuden_TMK105B7104KV-FR_100nF#2 3083.27,2156.34 r0 bottom (schematic designator C201)
C201E "Cap_Taiyo_Yuden_TMK105B7104KV-FR_100nF" Cap_Taiyo_Yuden_TMK105B7104KV-FR_100nF#2 3586.46,2145.71 r0 bottom (schematic designator C201)
C201F "Cap_Taiyo_Yuden_TMK105B7104KV-FR_100nF" Cap_Taiyo_Yuden_TMK105B7104KV-FR_100nF#2 4089.57,2190.98 r0 bottom (schematic designator C201)
C201G "Cap_Taiyo_Yuden_TMK105B7104KV-FR_100nF" Cap_Taiyo_Yuden_TMK105B7104KV-FR_100nF#2 4585.98,2189.76 r0 bottom (schematic designator C201)